# Altium PCB EDA-03518-V3-0_pcb.pcbdoc (part 13 of 14)
Units mm, origin at the board's own origin, x right, y up, seen from the top; angles counter-clockwise.
Board outline 220 x 230 mm, 8 copper layers (Top Layer, L2P, L3, L4P, L5P, L6, L7P, Bottom Layer), stack 2.18 mm thick; 1190 components, 1445 nets, 5955 pads, 2149 vias.
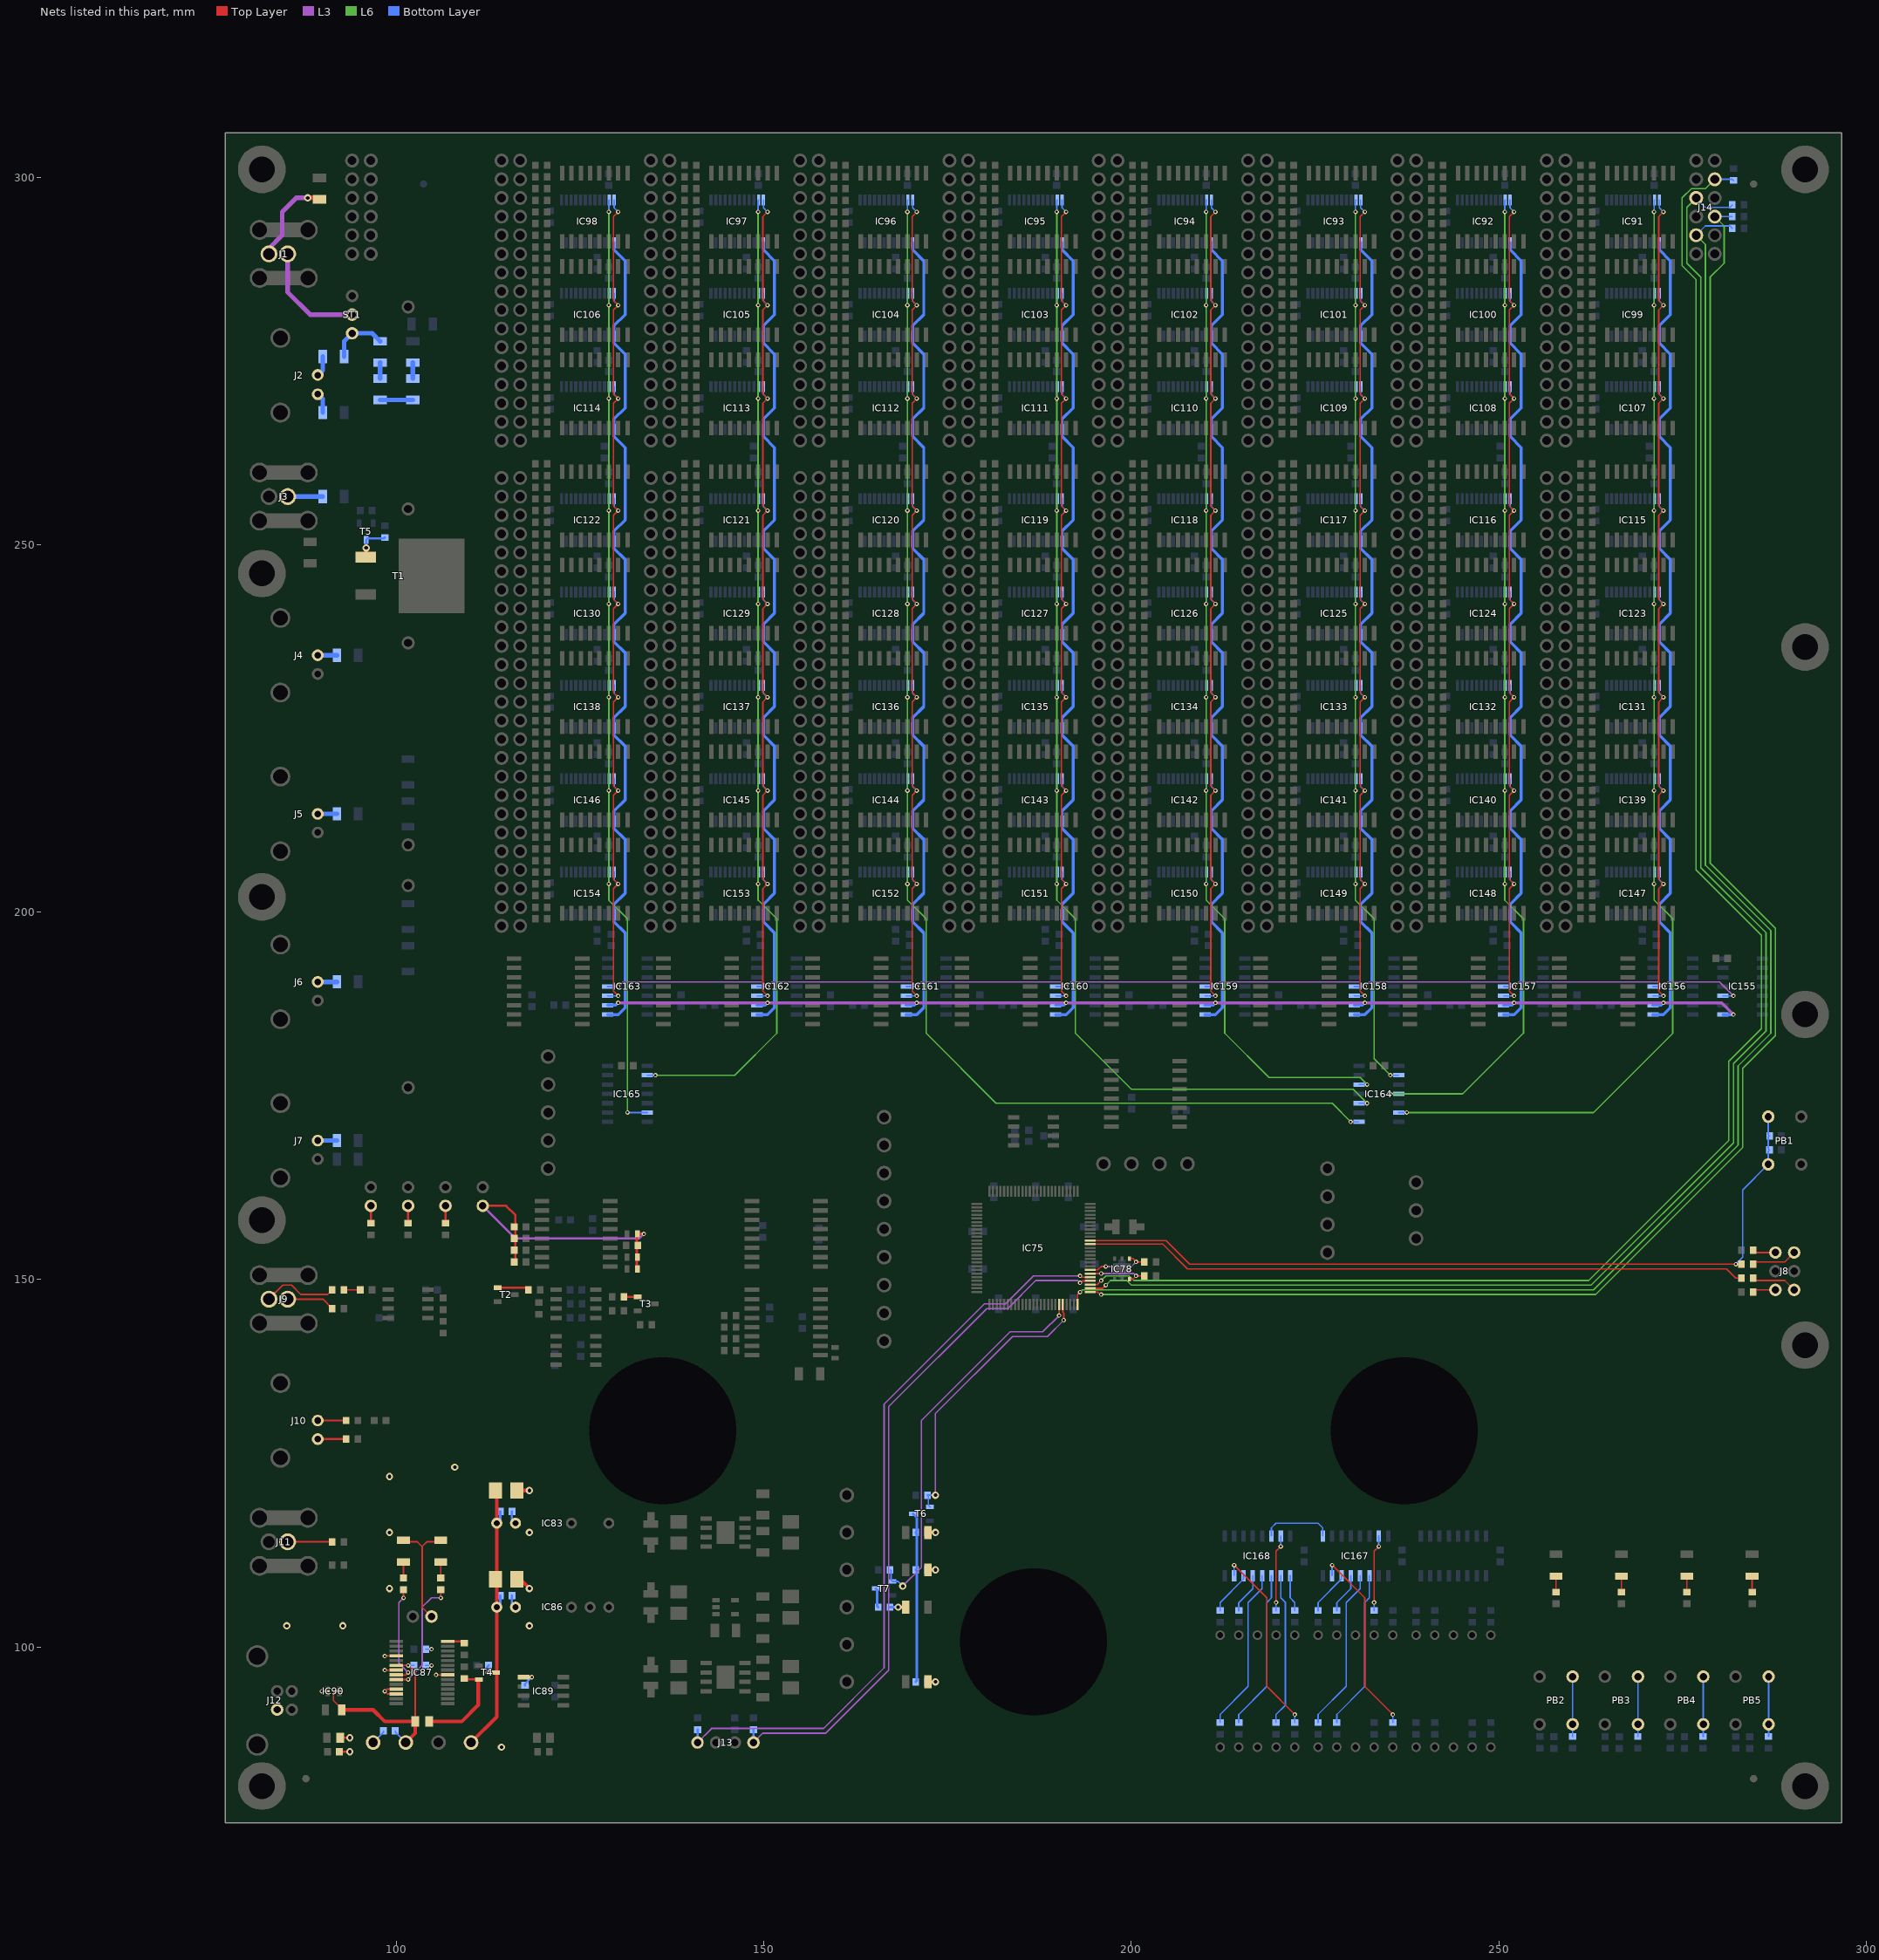
[diagram p19: the nets of this part, all layers, seen from the top]

## Via types
v1: diameter 0.6, hole 0.3, Top Layer to Bottom Layer, tented both sides, 1995 vias
v2: diameter 1, hole 0.5, Top Layer to Bottom Layer, tented both sides, 154 vias

## Nets (pads, with @x,y where several pads share a name; then routed paths per layer and width w, separated by ;. In a path a pad name is that pad's centre, name@x,y a point inside that pad or via, vN(x,y) a via of type N, cw(c..) or ccw(c..) an arc to the next point about the centre after c; other vN are vias at no path point) (continued)
NetIC167_3: IC167.3 R680.1 | length 21.8
  Bottom Layer w0.203: R680.1@227.965,89.7 227.965,90.805 231.775,94.615 231.775,106.045 232.41,106.68 IC167.3@232.41,109.695
NetIC167_4: IC167.4 R681.1 | length 22.4
  Bottom Layer w0.203: R681.1@225.425,89.7 225.425,90.805 229.235,94.615 229.235,106.045 231.14,107.95 IC167.4@231.14,109.695
NetIC167_5: IC167.5 R665.1 | length 5.5
  Bottom Layer w0.203: R665.1@227.965,104.94 227.965,106.045 229.87,107.95 IC167.5@229.87,109.695
NetIC167_6: IC167.6 R666.1 | length 6.1
  Bottom Layer w0.203: R666.1@225.425,104.94 225.425,106.045 228.6,109.22 IC167.6@228.6,109.695
NetIC167_7: IC167.7 R678.1 | length 26.3
  Top Layer w0.203: v1(227.33,111.125) 231.775,106.68 231.775,94.615 v1(235.585,90.805)
  Bottom Layer w0.203: IC167.7@227.33,109.695 v1(227.33,111.125) ; R678.1@235.585,89.7 v1(235.585,90.805)
NetIC167_9: IC167.9 IC168.14 | length 9.7
  Bottom Layer w0.203: IC168.14@219.075,115.095 219.075,116.205 219.71,116.84 225.425,116.84 226.06,116.205 IC167.9@226.06,115.095
NetIC167_15: IC167.15 R664.1 | length 10.4
  Top Layer w0.203: v1(233.045,106.045) 233.045,113.03 v1(233.68,113.665)
  Bottom Layer w0.203: R664.1@233.045,104.94 v1(233.045,106.045) ; v1(233.68,113.665) IC167.15@233.68,115.095
NetIC168_1: IC168.1 R667.1 | length 5
  Bottom Layer w0.203: IC168.1@221.615,109.695 221.615,106.68 222.25,106.045 R667.1@222.25,104.94
NetIC168_2: IC168.2 R683.1 | length 20.8
  Bottom Layer w0.203: R683.1@219.71,89.7 219.71,90.805 220.98,92.075 220.98,106.045 220.345,106.68 IC168.2@220.345,109.695
NetIC168_3: IC168.3 R684.1 | length 21.8
  Bottom Layer w0.203: R684.1@214.63,89.7 214.63,90.805 218.44,94.615 218.44,106.045 219.075,106.68 IC168.3@219.075,109.695
NetIC168_4: IC168.4 R685.1 | length 22.4
  Bottom Layer w0.203: R685.1@212.09,89.7 212.09,90.805 215.9,94.615 215.9,106.045 217.805,107.95 IC168.4@217.805,109.695
NetIC168_5: IC168.5 R669.1 | length 5.5
  Bottom Layer w0.203: R669.1@214.63,104.94 214.63,106.045 216.535,107.95 IC168.5@216.535,109.695
NetIC168_6: IC168.6 R670.1 | length 6.1
  Bottom Layer w0.203: R670.1@212.09,104.94 212.09,106.045 215.265,109.22 IC168.6@215.265,109.695
NetIC168_7: IC168.7 R682.1 | length 26.3
  Top Layer w0.203: v1(213.995,111.125) 218.44,106.68 218.44,94.615 v1(222.25,90.805)
  Bottom Layer w0.203: IC168.7@213.995,109.695 v1(213.995,111.125) ; R682.1@222.25,89.7 v1(222.25,90.805)
NetIC168_15: IC168.15 R668.1 | length 10.4
  Top Layer w0.203: v1(219.71,106.045) 219.71,113.03 v1(220.345,113.665)
  Bottom Layer w0.203: R668.1@219.71,104.94 v1(219.71,106.045) ; v1(220.345,113.665) IC168.15@220.345,115.095
NetJ1_1: J1.1 ST1.2 | length 15.2
  L3 w0.635: J1.1@85.208,289.56 85.208,284.362 88.265,281.305 ST1.2@93.98,281.305
NetJ1_2: J1.2 R17.2 | length 12.4
  Top Layer w0.635: v2(87.947,297.18) 89.355,297.18 R17.2@89.535,297
  L3 w0.635: J1.2@82.668,289.56 82.668,290.313 84.455,292.1 84.455,295.275 86.36,297.18 v2(87.947,297.18)
NetJ2_1: J2.1 R592.2 | length 2.8
  Bottom Layer w0.635: J2.1@89.3,273.05 89.99,273.74 R592.2@89.99,275.59
NetJ2_2: J2.2 R603.2 | length 2.8
  Bottom Layer w0.635: J2.2@89.3,270.51 89.99,269.82 R603.2@89.99,267.97
NetJ3_1: J3.1 R604.2 | length 4.8
  Bottom Layer w0.635: J3.1@85.208,256.54 R604.2@89.99,256.54
NetJ4_1: J4.1 R623.2 | length 2.6
  Bottom Layer w0.635: J4.1@89.3,234.95 R623.2@91.895,234.95
NetJ5_1: J5.1 R640.2 | length 2.6
  Bottom Layer w0.635: J5.1@89.3,213.36 R640.2@91.895,213.36
NetJ6_1: J6.1 R649.2 | length 2.6
  Bottom Layer w0.635: J6.1@89.3,190.5 R649.2@91.895,190.5
NetJ7_1: J7.1 R651.2 | length 2.6
  Bottom Layer w0.635: J7.1@89.3,168.91 R651.2@91.895,168.91
NetJ8_1: J8.1 R530.1 | length 6.2
  Top Layer w0.203: R530.1@284.645,150.177 284.963,149.86 288.925,149.86 J8.1@290.195,148.59
NetJ8_2: J8.2 R534.1 | length 3.1
  Top Layer w0.203: R534.1@284.645,148.273 284.963,148.59 J8.2@287.655,148.59
NetJ8_5: J8.5 R527.1 | length 6.2
  Top Layer w0.203: R527.1@284.645,152.082 284.963,152.4 288.925,152.4 J8.5@290.195,153.67
NetJ8_6: J8.6 R523.1 | length 3.1
  Top Layer w0.203: R523.1@284.645,153.987 284.962,153.67 J8.6@287.655,153.67
NetJ9_1: J9.1 R538.2 | length 6.6
  Top Layer w0.203: J9.1@85.208,147.32 90.005,147.32 R538.2@91.275,146.05
NetJ9_2: J9.2 R531.1 | length 10.2
  Top Layer w0.203: J9.2@82.668,147.32 84.573,149.225 85.725,149.225 86.995,147.955 90.64,147.955 R531.1@91.275,148.59
NetJ10_1: J10.1 R548.2 | length 3.9
  Top Layer w0.203: J10.1@89.3,130.81 R548.2@93.18,130.81
NetJ10_2: J10.2 R550.2 | length 3.9
  Top Layer w0.305: J10.2@89.3,128.27 R550.2@93.18,128.27
NetJ11_1: J11.1 R553.2 | length 6.1
  Top Layer w0.203: J11.1@85.208,114.3 R553.2@91.275,114.3
NetL5_2: L5.2 R565.2 T4.2 | length 13.2
  Top Layer w0.305: R565.2@109.22,95.72 109.372,95.567 T4.2@111.243,95.567 ; T4.2@111.125,95.45 T4.2@111.243,95.567 ; T4.2@111.245,95.57 T4.2@111.243,95.567
  Top Layer w0.508: L5.2@104.455,89.852 108.902,89.852 111.125,92.075 T4.2@111.125,95.45
NetLD1_1: LD1.1 R655.2 | length 2.1
  Top Layer w0.305: LD1.1@172.315,115.57 v2(173.355,115.57)
  Bottom Layer w0.305: R655.2@172.25,115.57 v2(173.355,115.57)
NetLD2_1: LD2.1 R555.1 | length 2.1
  Top Layer w0.203: R555.1@100.965,109.385 LD2.1@100.965,111.53
NetLD2_2: LD2.2 LD3.2 ST6.2 | length 15.8
  Top Layer w0.203: LD2.2@100.965,114.53 101.195,114.3 102.87,114.3 103.505,113.665 ; ST6.2@104.775,104.14 103.505,105.41 103.505,113.665 ; LD3.2@106.045,114.53 105.815,114.3 104.14,114.3 103.505,113.665
NetLD3_1: LD3.1 R556.1 | length 2.1
  Top Layer w0.203: R556.1@106.045,109.385 LD3.1@106.045,111.53
NetLD4_2: LD4.2 R557.1 | length 2.1
  Top Layer w0.203: R557.1@257.81,107.48 LD4.2@257.81,109.625
NetLD5_2: LD5.2 R558.1 | length 2.1
  Top Layer w0.203: R558.1@266.7,107.48 LD5.2@266.7,109.625
NetLD6_2: LD6.2 R559.1 | length 2.1
  Top Layer w0.203: R559.1@275.59,107.48 LD6.2@275.59,109.625
NetLD7_2: LD7.2 R560.1 | length 2.1
  Top Layer w0.203: R560.1@284.48,107.48 LD7.2@284.48,109.625
NetLD8_1: LD8.1 R656.2 | length 2.1
  Top Layer w0.305: LD8.1@172.315,110.49 v2(173.355,110.49)
  Bottom Layer w0.305: R656.2@172.25,110.49 v2(173.355,110.49)
NetLD9_2: LD9.2 R658.1 | length 2.1
  Top Layer w0.305: v2(168.275,105.41) LD9.2@169.315,105.41
  Bottom Layer w0.305: R658.1@167.17,105.41 v2(168.275,105.41)
NetLD10_1: LD10.1 R671.2 | length 2.1
  Top Layer w0.305: LD10.1@172.315,95.25 v2(173.355,95.25)
  Bottom Layer w0.305: R671.2@172.25,95.25 v2(173.355,95.25)
NetPB2_1: PB2.1 PB2.2 R692.1 | length 8.2
  Bottom Layer w0.203: R692.1@260.032,87.795 260.06,87.823 PB2.2@260.06,89.46 PB2.1@260.06,95.96
NetPB3_1: PB3.1 PB3.2 R690.1 | length 8.2
  Bottom Layer w0.203: R690.1@268.923,87.795 268.95,87.823 PB3.2@268.95,89.46 PB3.1@268.95,95.96
NetPB4_1: PB4.1 PB4.2 R688.1 | length 8.2
  Bottom Layer w0.203: R688.1@277.812,87.795 277.84,87.823 PB4.2@277.84,89.46 PB4.1@277.84,95.96
NetPB5_1: PB5.1 PB5.2 R686.1 | length 8.2
  Bottom Layer w0.203: R686.1@286.702,87.795 286.73,87.823 PB5.2@286.73,89.46 PB5.1@286.73,95.96
NetR515_2: R515.2 ST2.2 | length 2.4
  Top Layer w0.305: R515.2@96.52,157.645 ST2.2@96.52,160.02
NetR516_2: R516.2 ST3.2 | length 2.4
  Top Layer w0.305: R516.2@101.6,157.645 ST3.2@101.6,160.02
NetR517_2: R517.2 ST4.2 | length 2.4
  Top Layer w0.305: R517.2@106.68,157.645 ST4.2@106.68,160.02
NetR518_2: R518.2 R519.2 R520.2 R521.2 R522.2 R524.2 R525.2 R528.2 ST5.2 | length 41.7
  Top Layer w0.305: ST5.2@111.76,160.02 114.935,160.02 116.205,158.75 116.205,157.328 R518.2@116.04,157.162 116.205,156.997 116.205,155.74 R520.2@116.04,155.575 116.205,155.41 116.205,154.153 R522.2@116.04,153.987 116.205,153.822 116.205,152.565 R525.2@116.04,152.4 ; R528.2@132.8,151.447 132.715,151.533 132.715,152.95 R524.2@132.8,153.035 132.715,153.12 132.715,154.457 R521.2@132.88,154.623 132.715,154.788 132.715,156.125 R519.2@132.8,156.21 v1(133.667,156.21)
  L3 w0.305: ST5.2@111.76,160.02 116.205,155.575 133.032,155.575 v1(133.667,156.21)
NetR531_2: R531.2 R532.2 | length 2.2
  Top Layer w0.203: R531.2@92.875,148.59 R532.2@95.085,148.59
NetR533_2: R533.2 T2.1 | length 4.3
  Top Layer w0.305: T2.1@113.785,148.905 113.787,148.907 117.627,148.907 R533.2@117.945,148.59
NetR535_2: R535.2 T3.1 | length 1.9
  Top Layer w0.305: R535.2@130.975,147.637 132.833,147.637 T3.1@132.835,147.635
NetR590_2: R590.2 R593.1 | length 2.2
  Bottom Layer w0.635: R593.1@102.235,272.595 R590.2@102.235,274.775
NetR591_1: R591.1 R594.2 | length 2.2
  Bottom Layer w0.635: R594.2@97.79,272.595 R591.1@97.79,274.775
NetR591_2: R591.2 R592.1 ST1.3 | length 7.9
  Bottom Layer w0.635: R592.1@92.89,275.59 92.89,277.675 ST1.3@93.98,278.765 96.7,278.765 R591.2@97.79,277.675
NetR593_2: R593.2 R594.1 | length 4.4
  Bottom Layer w0.635: R594.1@97.79,269.695 R593.2@102.235,269.695
NetR614_1: R614.1 T1.1 T5.3 | length 5
  Top Layer w0.635: T1.1@95.85,248.285 95.885,248.32 v2(95.885,249.555)
  Bottom Layer w0.305: v2(95.885,249.555) T5.3@95.885,250.627 96.083,250.825 98.273,250.825 R614.1@98.425,250.977
NetR655_1: R655.1 R656.1 R671.1 T6.3 | length 23.4
  Bottom Layer w0.305: T6.3@170.3,118.11 170.815,117.595 170.815,115.735 R655.1@170.65,115.57 170.815,115.405 170.815,110.655 R656.1@170.65,110.49 170.815,110.325 170.815,95.415 R671.1@170.65,95.25
NetR658_2: R658.2 T7.3 | length 2.7
  Bottom Layer w0.305: T7.3@165.22,107.95 165.417,107.752 165.417,105.562 R658.2@165.57,105.41
P\W\R\E\N\: IC87.14 R564.1 | length 2.3
  Top Layer w0.305: IC87.14@107.005,100.745 108.97,100.745 R564.1@109.22,100.495
PDICLK: C174.2 IC75.90 PB1.3 PB1.4 R527.2 R650.1 | length 112.2
  Top Layer w0.203: IC75.90@194.39,155.305 204.74,155.305 207.963,152.082 v1(282.257,152.082) R527.2@283.045,152.082
  Bottom Layer w0.203: v1(282.257,152.082) 283.21,153.035 283.21,162.195 PB1.4@286.675,165.66 286.675,167.46 C174.2@286.855,167.64 286.675,167.82 286.675,169.38 286.84,169.545 286.675,169.71 PB1.3@286.675,172.16
PDIDATA: IC75.89 R530.2 | length 90.6
  Top Layer w0.203: IC75.89@194.39,154.805 204.288,154.805 207.645,151.447 280.988,151.447 282.257,150.177 R530.2@283.045,150.177
R\X\L\: IC87.22 R555.2 | length 13.8
  Top Layer w0.203: IC87.22@100.005,96.195 101.275,96.195 v1(101.6,96.52) ; v1(100.965,106.68) R555.2@100.965,107.785
  L3 w0.203: v1(100.965,106.68) 100.33,106.045 100.33,97.79 v1(101.6,96.52)
RESET_1: IC98.23 IC106.23 IC114.23 IC122.23 IC130.23 IC138.23 IC146.23 IC154.23 IC165.6 | length 139.6
  L6 w0.203: v1(128.905,295.275) v1(128.905,282.575) v1(128.905,269.875) v1(128.905,254.635) v1(128.905,241.935) v1(128.905,229.235) v1(128.905,216.535) v1(128.905,203.835) 128.905,201.612 131.445,199.072 v1(131.445,172.72)
  Bottom Layer w0.203: v1(128.905,203.835) 128.905,205.397 IC154.23@128.973,205.465 ; v1(128.905,216.535) 128.905,218.097 IC146.23@128.973,218.165 ; v1(128.905,229.235) 128.905,230.797 IC138.23@128.973,230.865 ; v1(128.905,241.935) 128.905,243.497 IC130.23@128.973,243.565 ; v1(128.905,254.635) 128.905,256.197 IC122.23@128.973,256.265 ; v1(128.905,269.875) 128.905,271.437 IC114.23@128.973,271.505 ; v1(128.905,282.575) 128.905,284.137 IC106.23@128.973,284.205 ; v1(128.905,295.275) 128.905,296.837 IC98.23@128.973,296.905 ; v1(131.445,172.72) IC165.6@134.145,172.72
RESET_2: IC97.23 IC105.23 IC113.23 IC121.23 IC129.23 IC137.23 IC145.23 IC153.23 IC165.2 | length 146.1
  L6 w0.203: v1(135.255,177.8) 146.05,177.8 151.765,183.515 151.765,199.072 149.225,201.612 v1(149.225,203.835) v1(149.225,216.535) v1(149.225,229.235) v1(149.225,241.935) v1(149.225,254.635) v1(149.225,269.875) v1(149.225,282.575) v1(149.225,295.275)
  Bottom Layer w0.203: IC165.2@134.145,177.8 v1(135.255,177.8) ; v1(149.225,203.835) 149.225,205.397 IC153.23@149.293,205.465 ; v1(149.225,216.535) 149.225,218.097 IC145.23@149.293,218.165 ; v1(149.225,229.235) 149.225,230.797 IC137.23@149.293,230.865 ; v1(149.225,241.935) 149.225,243.497 IC129.23@149.293,243.565 ; v1(149.225,254.635) 149.225,256.197 IC121.23@149.293,256.265 ; v1(149.225,269.875) 149.225,271.437 IC113.23@149.293,271.505 ; v1(149.225,282.575) 149.225,284.137 IC105.23@149.293,284.205 ; v1(149.225,295.275) 149.225,296.837 IC97.23@149.293,296.905
RESET_3: IC96.23 IC104.23 IC112.23 IC120.23 IC128.23 IC136.23 IC144.23 IC152.23 IC164.8 | length 190
  L6 w0.203: v1(169.545,295.275) v1(169.545,282.575) v1(169.545,269.875) v1(169.545,254.635) v1(169.545,241.935) v1(169.545,229.235) v1(169.545,216.535) v1(169.545,203.835) 169.545,201.612 172.085,199.072 172.085,183.515 181.61,173.99 227.33,173.99 v1(229.87,171.45)
  Bottom Layer w0.203: v1(169.545,203.835) 169.545,205.397 IC152.23@169.613,205.465 ; v1(169.545,216.535) 169.545,218.097 IC144.23@169.613,218.165 ; v1(169.545,229.235) 169.545,230.797 IC136.23@169.613,230.865 ; v1(169.545,241.935) 169.545,243.497 IC128.23@169.613,243.565 ; v1(169.545,254.635) 169.545,256.197 IC120.23@169.613,256.265 ; v1(169.545,269.875) 169.545,271.437 IC112.23@169.613,271.505 ; v1(169.545,282.575) 169.545,284.137 IC104.23@169.613,284.205 ; v1(169.545,295.275) 169.545,296.837 IC96.23@169.613,296.905 ; v1(229.87,171.45) IC164.8@230.98,171.45
RESET_4: IC95.23 IC103.23 IC111.23 IC119.23 IC127.23 IC135.23 IC143.23 IC151.23 IC164.10 | length 170.8
  L6 w0.203: v1(189.865,295.275) v1(189.865,282.575) v1(189.865,269.875) v1(189.865,254.635) v1(189.865,241.935) v1(189.865,229.235) v1(189.865,216.535) v1(189.865,203.835) 189.865,201.612 192.405,199.072 192.405,183.515 200.025,175.895 230.188,175.895 v1(232.093,173.99)
  Bottom Layer w0.203: v1(189.865,203.835) 189.865,205.397 IC151.23@189.933,205.465 ; v1(189.865,216.535) 189.865,218.097 IC143.23@189.933,218.165 ; v1(189.865,229.235) 189.865,230.797 IC135.23@189.933,230.865 ; v1(189.865,241.935) 189.865,243.497 IC127.23@189.933,243.565 ; v1(189.865,254.635) 189.865,256.197 IC119.23@189.933,256.265 ; v1(189.865,269.875) 189.865,271.437 IC111.23@189.933,271.505 ; v1(189.865,282.575) 189.865,284.137 IC103.23@189.933,284.205 ; v1(189.865,295.275) 189.865,296.837 IC95.23@189.933,296.905 ; IC164.10@230.98,173.99 v1(232.093,173.99)
RESET_5: IC94.23 IC102.23 IC110.23 IC118.23 IC126.23 IC134.23 IC142.23 IC150.23 IC164.12 | length 149.4
  L6 w0.203: v1(210.185,295.275) v1(210.185,282.575) v1(210.185,269.875) v1(210.185,254.635) v1(210.185,241.935) v1(210.185,229.235) v1(210.185,216.535) v1(210.185,203.835) 210.185,201.612 212.725,199.072 212.725,183.515 218.757,177.482 231.14,177.482 v1(232.093,176.53)
  Bottom Layer w0.203: v1(210.185,203.835) 210.185,205.397 IC150.23@210.253,205.465 ; v1(210.185,216.535) 210.185,218.097 IC142.23@210.253,218.165 ; v1(210.185,229.235) 210.185,230.797 IC134.23@210.253,230.865 ; v1(210.185,241.935) 210.185,243.497 IC126.23@210.253,243.565 ; v1(210.185,254.635) 210.185,256.197 IC118.23@210.253,256.265 ; v1(210.185,269.875) 210.185,271.437 IC110.23@210.253,271.505 ; v1(210.185,282.575) 210.185,284.137 IC102.23@210.253,284.205 ; v1(210.185,295.275) 210.185,296.837 IC94.23@210.253,296.905 ; IC164.12@230.98,176.53 v1(232.093,176.53)
RESET_6: IC93.23 IC101.23 IC109.23 IC117.23 IC125.23 IC133.23 IC141.23 IC149.23 IC164.2 | length 133.8
  L6 w0.203: v1(230.505,295.275) v1(230.505,282.575) v1(230.505,269.875) v1(230.505,254.635) v1(230.505,241.935) v1(230.505,229.235) v1(230.505,216.535) v1(230.505,203.835) 230.505,201.612 233.045,199.072 233.045,180.022 v1(235.267,177.8)
  Bottom Layer w0.203: v1(230.505,203.835) 230.505,205.397 IC149.23@230.573,205.465 ; v1(230.505,216.535) 230.505,218.097 IC141.23@230.573,218.165 ; v1(230.505,229.235) 230.505,230.797 IC133.23@230.573,230.865 ; v1(230.505,241.935) 230.505,243.497 IC125.23@230.573,243.565 ; v1(230.505,254.635) 230.505,256.197 IC117.23@230.573,256.265 ; v1(230.505,269.875) 230.505,271.437 IC109.23@230.573,271.505 ; v1(230.505,282.575) 230.505,284.137 IC101.23@230.573,284.205 ; v1(230.505,295.275) 230.505,296.837 IC93.23@230.573,296.905 ; v1(235.267,177.8) IC164.2@236.38,177.8
RESET_7: IC92.23 IC100.23 IC108.23 IC116.23 IC124.23 IC132.23 IC140.23 IC148.23 IC164.4 | length 148.7
  L6 w0.203: v1(235.267,175.26) 245.11,175.26 253.365,183.515 253.365,199.072 250.825,201.612 v1(250.825,203.835) v1(250.825,216.535) v1(250.825,229.235) v1(250.825,241.935) v1(250.825,254.635) v1(250.825,269.875) v1(250.825,282.575) v1(250.825,295.275)
  Bottom Layer w0.203: v1(235.267,175.26) IC164.4@236.38,175.26 ; v1(250.825,203.835) 250.825,205.397 IC148.23@250.893,205.465 ; v1(250.825,216.535) 250.825,218.097 IC140.23@250.893,218.165 ; v1(250.825,229.235) 250.825,230.797 IC132.23@250.893,230.865 ; v1(250.825,241.935) 250.825,243.497 IC124.23@250.893,243.565 ; v1(250.825,254.635) 250.825,256.197 IC116.23@250.893,256.265 ; v1(250.825,269.875) 250.825,271.437 IC108.23@250.893,271.505 ; v1(250.825,282.575) 250.825,284.137 IC100.23@250.893,284.205 ; v1(250.825,295.275) 250.825,296.837 IC92.23@250.893,296.905
RESET_8: IC91.23 IC99.23 IC107.23 IC115.23 IC123.23 IC131.23 IC139.23 IC147.23 IC164.6 | length 167.9
  L6 w0.203: v1(237.49,172.72) 262.89,172.72 273.685,183.515 273.685,199.072 271.145,201.612 v1(271.145,203.835) v1(271.145,216.535) v1(271.145,229.235) v1(271.145,241.935) v1(271.145,254.635) v1(271.145,269.875) v1(271.145,282.575) v1(271.145,295.275)
  Bottom Layer w0.203: IC164.6@236.38,172.72 v1(237.49,172.72) ; v1(271.145,203.835) 271.145,205.397 IC147.23@271.213,205.465 ; v1(271.145,216.535) 271.145,218.097 IC139.23@271.213,218.165 ; v1(271.145,229.235) 271.145,230.797 IC131.23@271.213,230.865 ; v1(271.145,241.935) 271.145,243.497 IC123.23@271.213,243.565 ; v1(271.145,254.635) 271.145,256.197 IC115.23@271.213,256.265 ; v1(271.145,269.875) 271.145,271.437 IC107.23@271.213,271.505 ; v1(271.145,282.575) 271.145,284.137 IC99.23@271.213,284.205 ; v1(271.145,295.275) 271.145,296.837 IC91.23@271.213,296.905
SCL1: IC75.81 IC78.6 R529.1 | length 8.6
  Top Layer w0.203: IC75.81@194.39,150.805 195.89,150.805 v1(195.897,150.812) ; IC78.6@199.755,150.048 200.213,150.048 v1(200.66,150.495) R529.1@201.765,150.495
  L3 w0.203: v1(195.897,150.812) 200.343,150.812 v1(200.66,150.495)
SCL2: IC75.79 J13.1 R672.1 | length 94.8
  Top Layer w0.203: v1(193.04,149.542) 193.302,149.805 IC75.79@194.39,149.805
  L3 w0.203: J13.1@148.59,86.995 149.86,88.265 158.433,88.265 167.005,96.837 167.005,132.715 180.34,146.05 183.197,146.05 187.007,149.86 192.722,149.86 v1(193.04,149.542)
  Bottom Layer w0.305: J13.1@148.59,86.995 R672.1@148.59,88.735
SCL3: IC75.77 J14.8 R570.1 | length 237.3
  Top Layer w0.203: IC75.77@194.39,148.805 196.113,148.805 v1(196.532,149.225)
  L6 w0.203: v1(196.532,149.225) 197.167,149.86 199.39,149.86 200.025,149.225 262.572,149.225 281.94,168.593 281.94,179.387 286.385,183.832 286.385,197.167 277.495,206.058 277.495,286.385 275.59,288.29 275.59,295.91 J14.8@276.86,297.18
  Bottom Layer w0.203: J14.8@276.86,297.18 278.13,295.91 281.457,295.91 R570.1@281.775,296.227
SCL4: IC75.75 J14.4 R580.1 | length 235.1
  Top Layer w0.203: IC75.75@192.69,146.605 192.69,147.923 v1(193.04,148.273)
  L6 w0.203: v1(193.04,148.273) 193.357,148.59 262.89,148.59 282.575,168.275 282.575,179.07 287.02,183.515 287.02,197.485 278.13,206.375 278.13,290.83 J14.4@276.86,292.1
  Bottom Layer w0.203: J14.4@276.86,292.1 278.13,293.37 281.457,293.37 R580.1@281.775,293.053
SCLKB: IC155.8 IC156.9 IC157.9 IC158.9 IC159.9 IC160.9 IC161.9 IC162.9 IC163.9 | length 166.3
  L3 w0.406: v1(130.175,187.642) v1(150.495,187.642) v1(170.815,187.642) v1(191.135,187.642) v1(211.455,187.642) v1(231.775,187.642) v1(252.095,187.642) v1(272.415,187.642) 280.352,187.642 v1(281.94,186.055)
  Bottom Layer w0.406: IC163.9@128.745,187.325 129.857,187.325 v1(130.175,187.642) ; IC162.9@149.065,187.325 150.177,187.325 v1(150.495,187.642) ; IC161.9@169.385,187.325 170.498,187.325 v1(170.815,187.642) ; IC160.9@189.705,187.325 190.817,187.325 v1(191.135,187.642) ; IC159.9@210.025,187.325 211.137,187.325 v1(211.455,187.642) ; IC158.9@230.345,187.325 231.457,187.325 v1(231.775,187.642) ; IC157.9@250.665,187.325 251.778,187.325 v1(252.095,187.642) ; IC156.9@270.985,187.325 272.097,187.325 v1(272.415,187.642) ; IC155.8@280.51,186.055 v1(281.94,186.055)